# KiCad board longboi.kicad_pcb
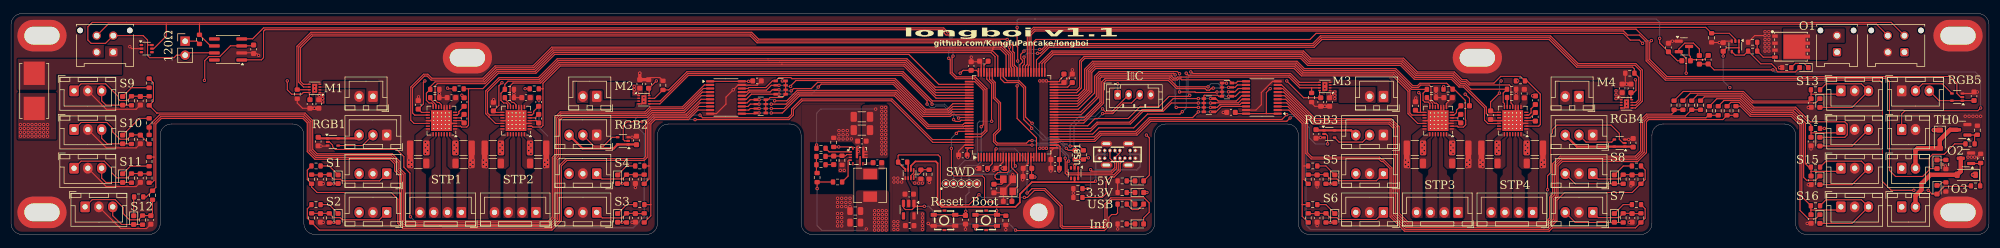
[diagram p0: board, top side]
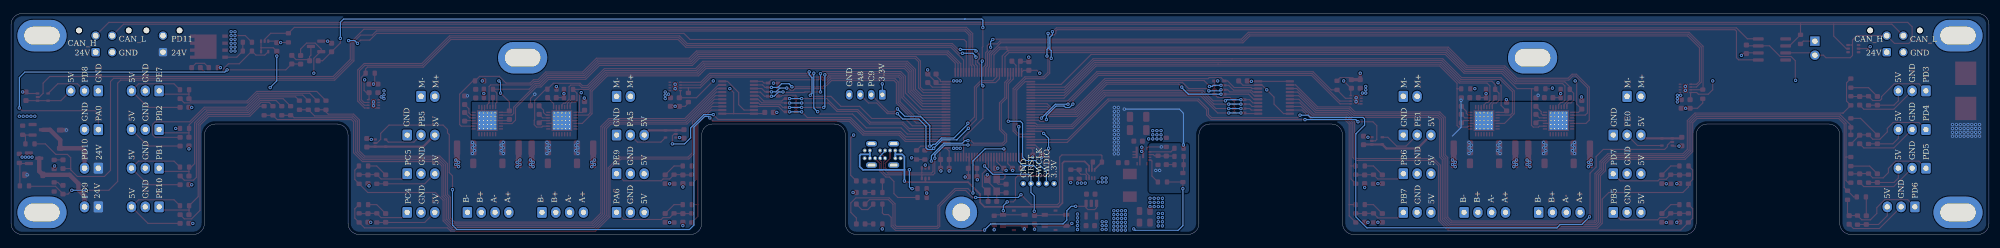
[diagram p1: board, bottom side, seen from below]

Outline 358 x 40 mm; copper layers: Top, Power (plane), GND (plane), Bottom. Coordinates in mm from the lower left corner of the outline.
Outline path: 0,38 0,2 arc(0.59,0.59) 2,0 25,0 arc(26.41,0.59) 27,2 27,18 arc(27.59,19.41) 29,20 51,20 arc(52.41,19.41) 53,18 53,2 arc(53.59,0.59) 55,0 115,0 arc(116.41,0.59) 117,2 117,18 arc(117.59,19.41) 119,20 141,20 arc(142.41,19.41) 143,18 143,2 arc(143.59,0.59) 145,0 205,0 arc(206.41,0.59) 207,2 207,18 arc(207.59,19.41) 209,20 231,20 arc(232.41,19.41) 233,18 233,2 arc(233.59,0.59) 235,0 295,0 arc(296.41,0.59) 297,2 297,18 arc(297.59,19.41) 299,20 321,20 arc(322.41,19.41) 323,18 323,2 arc(323.59,0.59) 325,0 356,0 arc(357.41,0.59) 358,2 358,38 arc(357.41,39.41) 356,40 2,40 arc(0.59,39.41) 0,38
Stack: Top 0.035mm / dielectric 0.1mm FR4 er 4.5 / Power 0.035mm / dielectric 1.24mm FR4 er 4.5 / GND 0.035mm / dielectric 0.1mm FR4 er 4.5 / Bottom 0.035mm

## Placement (name value [footprint] x y rotation side)
C1  10uF  [C_0603_1608Metric]  188.97 11.97 0 top
C2  100nF  [C_0603_1608Metric]  188.97 13.58 0 top
C3  12pF  [C_0603_1608Metric]  177.9 8.32 270 top
C4  10uF  [C_0603_1608Metric]  190.57 28.28 90 top
C5  100nF  [C_0603_1608Metric]  179.07 11.97 0 top
C6  12pF  [C_0603_1608Metric]  180.38 6 180 top
C7  100nF  [C_0603_1608Metric]  173.78 30.5 270 top
C8  2.2uF  [C_0603_1608Metric]  192.07 28.28 270 top
C9  100nF  [C_0603_1608Metric]  183.95 10.47 0 top
C10  2.2uF  [C_0603_1608Metric]  176.07 31.38 0 top
C11  100nF  [C_0603_1608Metric]  172.28 14.38 0 top
C12  100nF  [C_0603_1608Metric]  183.97 11.97 0 top
C13  100nF  [C_0603_1608Metric]  175.97 11.97 0 top
C14  100nF  [C_0603_1608Metric]  220.8 22.1 180 top
C15  100nF  [C_0603_1608Metric]  135.03 27.8 0 top
C16  22nF  [C_0603_1608Metric]  82 20.97 270 top
C17  100nF  [C_0603_1608Metric]  82 23.97 90 top
C18  2.2uF  [C_0603_1608Metric]  79.7 24.77 0 top
C19  1uF  [C_0603_1608Metric]  73.7 23.47 270 top
C20  47uF  [C_1210_3225Metric]  81.9 15.67 180 top
C21  47uF  [C_1210_3225Metric]  73.7 15.67 0 top
C22  22nF  [C_0603_1608Metric]  95.5 20.97 270 top
C23  100nF  [C_0603_1608Metric]  95.5 23.97 90 top
C24  2.2uF  [C_0603_1608Metric]  93.2 24.77 0 top
C25  1uF  [C_0603_1608Metric]  87.3 23.15 270 top
C26  47uF  [C_1210_3225Metric]  87.2 15.67 0 top
C27  47uF  [C_1210_3225Metric]  95.4 15.67 180 top
C28  22nF  [C_0603_1608Metric]  262.4 20.97 270 top
C29  100nF  [C_0603_1608Metric]  263.2 23.3 0 top
C30  2.2uF  [C_0603_1608Metric]  260.1 24.77 0 top
C31  1uF  [C_0603_1608Metric]  254.2 23.27 270 top
C32  47uF  [C_1210_3225Metric]  262.3 15.67 180 top
C33  47uF  [C_1210_3225Metric]  254.1 15.67 0 top
C34  22nF  [C_0603_1608Metric]  275.9 21.3 270 top
C35  100nF  [C_0603_1608Metric]  275.9 24.3 90 top
C36  2.2uF  [C_0603_1608Metric]  273.9 25.5 270 top
C37  1uF  [C_0603_1608Metric]  267.8 21.6 90 top
C38  47uF  [C_1210_3225Metric]  267.6 15.67 0 top
C39  47uF  [C_1210_3225Metric]  275.8 15.67 180 top
C40  1uF  [C_0603_1608Metric]  54.1 23.62 90 top
C41  1uF  [C_0603_1608Metric]  55.7 23.62 90 top
C42  1uF  [C_0603_1608Metric]  115.4 27.25 270 top
C43  1uF  [C_0603_1608Metric]  113.8 27.25 270 top
C44  1uF  [C_0603_1608Metric]  237.05 23.97 90 top
C45  1uF  [C_0603_1608Metric]  238.65 23.97 90 top
C46  1uF  [C_0603_1608Metric]  293.2 26.45 270 top
C47  1uF  [C_0603_1608Metric]  291.6 26.45 270 top
C48  100nF  [C_0603_1608Metric]  55.6 16.83 90 top
C49  100nF  [C_0603_1608Metric]  113.2 17.03 270 top
C50  100nF  [C_0603_1608Metric]  236.2 18.2 90 top
C51  100nF  [C_0603_1608Metric]  293.6 16.6 270 top
C52  100nF  [C_0603_1608Metric]  43.91 33.53 270 top
C53  10uF  [C_1206_3216Metric]  154 21.3 180 top
C54  10uF  [C_1206_3216Metric]  154 18.9 180 top
C55  100nF  [C_0603_1608Metric]  154 16.9 180 top
C56  100nF  [C_0603_1608Metric]  156.8 13 0 top
C57  10uF  [C_0603_1608Metric]  162.57 7.3 180 top
C58  100pF  [C_0603_1608Metric]  148.9 13.42 90 top
C59  10uF  [C_0603_1608Metric]  162.65 1.6 180 top
C60  22uF  [C_0805_2012Metric]  152.8 4.25 180 top
C61  22uF  [C_0805_2012Metric]  152.8 2.15 180 top
C62  100nF  [C_0603_1608Metric]  172.75 2.66 270 top
C63  100nF  [C_0603_1608Metric]  325.8 2.8 270 top
C64  100nF  [C_0603_1608Metric]  293.4 10 270 top
C65  100nF  [C_0603_1608Metric]  325.8 9.8 270 top
C66  100nF  [C_0603_1608Metric]  293.4 3 270 top
C67  100nF  [C_0603_1608Metric]  325.8 16.83 270 top
C68  100nF  [C_0603_1608Metric]  236.4 3 270 top
C69  100nF  [C_0603_1608Metric]  325.8 23.8 270 top
C70  100nF  [C_0603_1608Metric]  236.4 10 270 top
C71  100nF  [C_0603_1608Metric]  25.3 2.62 270 top
C72  100nF  [C_0603_1608Metric]  113 3 270 top
C73  100nF  [C_0603_1608Metric]  23.4 10.2 270 top
C74  100nF  [C_0603_1608Metric]  113 10 270 top
C75  100nF  [C_0603_1608Metric]  23.4 17.2 270 top
C76  100nF  [C_0603_1608Metric]  56 3 270 top
C77  100nF  [C_0603_1608Metric]  23.4 24.2 270 top
C78  100nF  [C_0603_1608Metric]  56 10 270 top
C79  100nF  [C_0603_1608Metric]  309.9 33.95 270 top
C80  100nF  [C_0603_1608Metric]  355.3 25.03 270 top
C82  100nF  [C_0603_1608Metric]  299.99 33.85 270 top
D1  Blue  [LED_0603_1608Metric]  204.21 1.9 0 top
D2  Green  [LED_0603_1608Metric]  204.21 5.5 0 top
D3  Green  [LED_0603_1608Metric]  204.21 7.6 0 top
D4  Green  [LED_0603_1608Metric]  204.21 9.7 0 top
D5  Red  [LED_0603_1608Metric]  324.52 30.21 180 top
D6  Red  [LED_0603_1608Metric]  348.6 12.71 270 top
D7  1N4007  [D_SOD-123]  349.1 17.25 270 top
D9  Red  [LED_0603_1608Metric]  348.6 8.1 270 top
D10  1N4007  [D_SOD-123]  353.9 10.8 180 top
D15  Yellow  [LED_0603_1608Metric]  327.4 2.8 270 top
D16  Yellow  [LED_0603_1608Metric]  290.2 10 270 top
D17  Yellow  [LED_0603_1608Metric]  327.4 9.8 270 top
D18  Yellow  [LED_0603_1608Metric]  290.2 3 270 top
D19  Yellow  [LED_0603_1608Metric]  327.4 16.8 270 top
D20  Yellow  [LED_0603_1608Metric]  239.6 3 270 top
D21  Yellow  [LED_0603_1608Metric]  327.4 23.8 270 top
D22  Yellow  [LED_0603_1608Metric]  239.6 10 270 top
D23  Yellow  [LED_0603_1608Metric]  22.2 2.6 270 top
D24  Yellow  [LED_0603_1608Metric]  109.8 3 270 top
D25  Yellow  [LED_0603_1608Metric]  20.2 10.2 270 top
D26  Yellow  [LED_0603_1608Metric]  109.8 10 270 top
D27  Yellow  [LED_0603_1608Metric]  20.2 17.2 270 top
D28  Yellow  [LED_0603_1608Metric]  59.2 3 270 top
D29  Yellow  [LED_0603_1608Metric]  20.2 24.2 270 top
D30  Yellow  [LED_0603_1608Metric]  59.2 10 270 top
D32  BAV99  [SOT-23]  302.79 34.05 0 top
F1  4A  [Fuseholder_Littelfuse_Nano2_154x]  4.2 26 270 top
H1  Center  [MountingHole_3.2mm_M3_ISO7380_Pad]  186 4 0 top
H2  Slot  [MountingSlot3.2mm]  5.6 36 0 top
H3  Slot  [MountingSlot3.2mm]  82.6 32 0 top
H4  Slot  [MountingSlot3.2mm]  265.4 32 0 top
H5  Slot  [MountingSlot3.2mm]  352.4 36 0 top
H6  Slot  [MountingSlot3.2mm]  352.4 4 0 top
H7  Slot  [MountingSlot3.2mm]  5.6 4 0 top
J1  Testpad  [TestPoint_THTPad_D1.0mm_Drill0.5mm]  169.21 9.2 90 top
J2  Testpad  [TestPoint_THTPad_D1.0mm_Drill0.5mm]  170.6 9.2 90 top
J3  Testpad  [TestPoint_THTPad_D1.0mm_Drill0.5mm]  172 9.2 90 top
J4  Testpad  [TestPoint_THTPad_D1.0mm_Drill0.5mm]  173.4 9.2 90 top
J5  Testpad  [TestPoint_THTPad_D1.0mm_Drill0.5mm]  174.8 9.2 90 top
J6  JST-PH  [JST_PH_B4B-PH-K_1x04_P2.00mm_Vertical]  200.3 25.3 0 top
J7  Conn_01x04_Pin  [JST_XH_B4B-XH-A_1x04_P2.50mm_Vertical]  81.5 4 180 top
J8  Conn_01x04_Pin  [JST_XH_B4B-XH-A_1x04_P2.50mm_Vertical]  95 4 180 top
J9  Conn_01x04_Pin  [JST_XH_B4B-XH-A_1x04_P2.50mm_Vertical]  261.9 4 180 top
J10  Conn_01x04_Pin  [JST_XH_B4B-XH-A_1x04_P2.50mm_Vertical]  275.4 4 180 top
J11  Conn_01x02_Pin  [JST_XH_B2B-XH-A_1x02_P2.50mm_Vertical]  65.5 25 180 top
J12  Conn_01x02_Pin  [JST_XH_B2B-XH-A_1x02_P2.50mm_Vertical]  106 25 180 top
J13  Conn_01x02_Pin  [JST_XH_B2B-XH-A_1x02_P2.50mm_Vertical]  248.4 25 180 top
J14  Conn_01x02_Pin  [JST_XH_B2B-XH-A_1x02_P2.50mm_Vertical]  283.8 25 180 top
J15  Conn_01x03_Pin  [JST_XH_B3B-XH-A_1x03_P2.50mm_Vertical]  68 18 180 top
J16  Conn_01x03_Pin  [JST_XH_B3B-XH-A_1x03_P2.50mm_Vertical]  106 18 180 top
J17  Conn_01x03_Pin  [JST_XH_B3B-XH-A_1x03_P2.50mm_Vertical]  248.4 18 180 top
J18  Conn_01x03_Pin  [JST_XH_B3B-XH-A_1x03_P2.50mm_Vertical]  286.3 18 180 top
J19  Conn_01x02_Pin  [PinHeader_1x02_P2.54mm_Vertical]  31.5 35 0 top
J20  MX3.0  [Molex_Micro-Fit_3.0_43045-0412_2x02_P3.00mm_Vertical]  342.7 33 180 top
J21  MX3.0  [Molex_Micro-Fit_3.0_43045-0412_2x02_P3.00mm_Vertical]  18.5 33 180 top
J23  Conn_01x03_Pin  [JST_XH_B3B-XH-A_1x03_P2.50mm_Vertical]  331.2 5 0 top
J24  Conn_01x03_Pin  [JST_XH_B3B-XH-A_1x03_P2.50mm_Vertical]  286.3 11 180 top
J25  Conn_01x03_Pin  [JST_XH_B3B-XH-A_1x03_P2.50mm_Vertical]  331.2 12 0 top
J26  Conn_01x03_Pin  [JST_XH_B3B-XH-A_1x03_P2.50mm_Vertical]  286.3 4 180 top
J27  Conn_01x03_Pin  [JST_XH_B3B-XH-A_1x03_P2.50mm_Vertical]  331.2 19 0 top
J28  Conn_01x03_Pin  [JST_XH_B3B-XH-A_1x03_P2.50mm_Vertical]  248.4 4 180 top
J29  Conn_01x03_Pin  [JST_XH_B3B-XH-A_1x03_P2.50mm_Vertical]  331.2 26 0 top
J30  Conn_01x03_Pin  [JST_XH_B3B-XH-A_1x03_P2.50mm_Vertical]  248.4 11 180 top
J31  Conn_01x03_Pin  [JST_XH_B3B-XH-A_1x03_P2.50mm_Vertical]  13.4 5 0 top
J32  Conn_01x03_Pin  [JST_XH_B3B-XH-A_1x03_P2.50mm_Vertical]  106 4 180 top
J33  Conn_01x03_Pin  [JST_XH_B3B-XH-A_1x03_P2.50mm_Vertical]  11.4 12 0 top
J34  Conn_01x03_Pin  [JST_XH_B3B-XH-A_1x03_P2.50mm_Vertical]  106 11 180 top
J35  Conn_01x03_Pin  [JST_XH_B3B-XH-A_1x03_P2.50mm_Vertical]  11.4 19 0 top
J36  Conn_01x03_Pin  [JST_XH_B3B-XH-A_1x03_P2.50mm_Vertical]  68 4 180 top
J37  Conn_01x03_Pin  [JST_XH_B3B-XH-A_1x03_P2.50mm_Vertical]  11.4 26 0 top
J38  Conn_01x03_Pin  [JST_XH_B3B-XH-A_1x03_P2.50mm_Vertical]  68 11 180 top
J39  Conn_01x02_Pin  [Molex_Micro-Fit_3.0_43045-0212_2x01_P3.00mm_Vertical]  330.5 33 180 top
J40  Conn_01x03_Pin  [JST_XH_B3B-XH-A_1x03_P2.50mm_Vertical]  342.2 26 0 top
J41  Conn_01x02_Pin  [JST_XH_B2B-XH-A_1x02_P2.50mm_Vertical]  342.2 12 0 top
J44  Conn_01x02_Pin  [JST_XH_B2B-XH-A_1x02_P2.50mm_Vertical]  342.2 5 0 top
J50  Conn_01x02_Pin  [JST_XH_B2B-XH-A_1x02_P2.50mm_Vertical]  342.2 19 0 top
L1  L_Ferrite  [L_Chilisin_BMRA00050530]  155.5 8.9 270 top
Q1  HY1904C2  [DFN-8_L5.9-W5.2-P1.27-LS6.2-BL]  322.19 34 270 top
Q2  IRLML0030  [SOT-23]  353.16 18.95 180 top
Q4  IRLML0030  [SOT-23]  353.84 13.8 180 top
R1  2.7k  [R_0603_1608Metric]  201.11 1.9 0 top
R2  15k  [R_0603_1608Metric]  194.1 14.4 270 top
R3  15k  [R_0603_1608Metric]  192.6 14.4 270 top
R4  110m  [R_1206_3216Metric]  73.7 12.87 180 top
R5  110m  [R_1206_3216Metric]  81.9 12.87 0 top
R6  110m  [R_1206_3216Metric]  87.2 12.87 180 top
R7  110m  [R_1206_3216Metric]  95.4 12.87 0 top
R8  110m  [R_1206_3216Metric]  254.1 12.87 180 top
R9  110m  [R_1206_3216Metric]  262.3 12.87 0 top
R10  110m  [R_1206_3216Metric]  267.6 12.88 180 top
R11  110m  [R_1206_3216Metric]  275.8 12.88 0 top
R12  120  [R_0603_1608Metric]  34.11 35.33 270 top
R13  100k  [R_0603_1608Metric]  164.68 10.9 90 top
R14  56k  [R_0603_1608Metric]  166.18 10.9 270 top
R15  0  [R_0603_1608Metric]  148.9 16.67 90 top
R16  100k  [R_0603_1608Metric]  146.6 15.6 0 top
R17  100k  [R_0603_1608Metric]  161.38 13.1 180 top
R18  3.3k  [R_0603_1608Metric]  201.11 5.5 180 top
R19  20k  [R_0603_1608Metric]  146.6 12.62 0 top
R20  10k  [R_0603_1608Metric]  307.8 35.6 270 top
R21  49.9  [R_0603_1608Metric]  145.9 10.3 90 top
R22  73.2k  [R_0603_1608Metric]  146.6 14.12 0 top
R23  10k  [R_0603_1608Metric]  150.4 13.42 270 top
R24  2.7k  [R_0603_1608Metric]  201.11 7.6 0 top
R25  3.3k  [R_0603_1608Metric]  201.11 9.7 0 top
R26  10k  [R_0603_1608Metric]  51.8 25.4 90 top
R27  10k  [R_0603_1608Metric]  118 27 270 top
R28  100k  [R_0603_1608Metric]  180.05 2.56 270 top
R29  100k  [R_0603_1608Metric]  326.6 5.2 180 top
R30  100  [R_0603_1608Metric]  310.6 22.4 270 top
R31  100k  [R_0603_1608Metric]  291.8 10 90 top
R32  100  [R_0603_1608Metric]  295 10 270 top
R33  100k  [R_0603_1608Metric]  326.6 12.2 180 top
R34  100  [R_0603_1608Metric]  307.4 22.4 270 top
R35  100k  [R_0603_1608Metric]  291.8 3 90 top
R36  100  [R_0603_1608Metric]  295 3 270 top
R37  100k  [R_0603_1608Metric]  326.6 19.2 180 top
R38  100  [R_0603_1608Metric]  305.8 23.4 270 top
R39  100k  [R_0603_1608Metric]  238 3 90 top
R40  100  [R_0603_1608Metric]  234.8 3 270 top
R41  100k  [R_0603_1608Metric]  326.6 26.2 180 top
R42  100  [R_0603_1608Metric]  301 23.4 270 top
R43  100k  [R_0603_1608Metric]  238 10 90 top
R44  100  [R_0603_1608Metric]  234.8 10 270 top
R45  100k  [R_0603_1608Metric]  23.8 2.6 90 top
R46  100  [R_0603_1608Metric]  25.6 7.1 90 top
R47  100k  [R_0603_1608Metric]  111.4 3 90 top
R48  100  [R_0603_1608Metric]  114.6 3 270 top
R49  100k  [R_0603_1608Metric]  21.8 10.2 90 top
R50  100  [R_0603_1608Metric]  25 10.2 270 top
R51  100k  [R_0603_1608Metric]  111.4 10 90 top
R52  100  [R_0603_1608Metric]  114.6 10 270 top
R53  100k  [R_0603_1608Metric]  21.8 17.2 90 top
R54  100  [R_0603_1608Metric]  25 17.2 90 top
R55  100k  [R_0603_1608Metric]  57.6 3 90 top
R56  100  [R_0603_1608Metric]  54.4 3 270 top
R57  100k  [R_0603_1608Metric]  21.8 24.2 90 top
R58  100  [R_0603_1608Metric]  25 24.2 270 top
R59  100k  [R_0603_1608Metric]  57.6 10 90 top
R60  100  [R_0603_1608Metric]  54.4 10 270 top
R61  3.3k  [R_0603_1608Metric]  321.39 30.21 0 top
R62  100  [R_0603_1608Metric]  315.23 33.2 0 top
R63  10k  [R_0603_1608Metric]  315.23 34.8 180 top
R64  2.7k  [R_0603_1608Metric]  350.2 12.67 90 top
R65  100  [R_0603_1608Metric]  354.57 16.4 0 top
R66  10k  [R_0603_1608Metric]  355.9 18.88 90 top
R67  10k  [R_0603_1608Metric]  235.4 24.8 90 top
R68  10k  [R_0603_1608Metric]  293 29.2 0 top
R69  5.1k  [R_0603_1608Metric]  193.1 8.3 0 top
R70  2.7k  [R_0603_1608Metric]  350.2 8.6 90 top
R71  100  [R_0603_1608Metric]  355.57 8.8 0 top
R72  10k  [R_0603_1608Metric]  356.5 13.78 90 top
R73  5.1k  [R_0603_1608Metric]  193.1 6.7 180 top
R79  3.3k  [R_0603_1608Metric]  312.2 22.4 90 top
R80  3.3k  [R_0603_1608Metric]  294.2 12.4 180 top
R81  3.3k  [R_0603_1608Metric]  309 22.4 90 top
R82  3.3k  [R_0603_1608Metric]  294.2 5.4 180 top
R83  3.3k  [R_0603_1608Metric]  304.2 23.4 90 top
R84  3.3k  [R_0603_1608Metric]  235.6 5.4 0 top
R85  3.3k  [R_0603_1608Metric]  302.6 23.4 90 top
R86  3.3k  [R_0603_1608Metric]  235.6 12.4 0 top
R87  3.3k  [R_0603_1608Metric]  23.1 6.8 180 top
R88  3.3k  [R_0603_1608Metric]  113.8 5.4 180 top
R89  3.3k  [R_0603_1608Metric]  25 13.2 270 top
R90  3.3k  [R_0603_1608Metric]  113.8 12.4 180 top
R91  3.3k  [R_0603_1608Metric]  25 20.2 90 top
R92  3.3k  [R_0603_1608Metric]  55.2 5.4 0 top
R93  3.3k  [R_0603_1608Metric]  25 27.4 270 top
R94  3.3k  [R_0603_1608Metric]  55.2 12.4 0 top
R95  100k  [R_0603_1608Metric]  76.7 26.27 180 top
R96  100k  [R_0603_1608Metric]  90.2 26.27 180 top
R97  100k  [R_0603_1608Metric]  257.1 26.27 180 top
R98  100k  [R_0603_1608Metric]  271.6 26.3 180 top
R99  100k  [R_0603_1608Metric]  76.7 24.77 0 top
R100  100k  [R_0603_1608Metric]  90.2 24.77 0 top
R101  100k  [R_0603_1608Metric]  257.1 24.77 0 top
R102  100k  [R_0603_1608Metric]  271.6 24.8 0 top
R103  100k  [R_0603_1608Metric]  81.1 26.37 0 top
R104  100k  [R_0603_1608Metric]  94.7 26.37 0 top
R105  100k  [R_0603_1608Metric]  260.1 26.3 0 top
R106  100k  [R_0603_1608Metric]  273.2 27.8 0 top
R107  100k  [R_0603_1608Metric]  149.6 9.5 0 top
R108  2.37k  [C_0603_1608Metric]  307.19 31.65 270 top
R109  2.37k  [C_0603_1608Metric]  303.19 31.45 0 top
R110  4.7k  [C_0603_1608Metric]  305.59 31.62 90 top
RN1  10k  [R_Array_Convex_4x0603]  216.8 23.4 180 top
RN2  10k  [R_Array_Convex_4x0603]  220.07 26.22 180 top
RN3  10k  [R_Array_Convex_4x0603]  139.3 26.6 0 top
RN4  10k  [R_Array_Convex_4x0603]  135.7 23.2 0 top
SW1  SW_SPST  [SW-SMD_4P-L3.4-W3.4-P2.00-LS4.0_TS3315A160GF]  168.95 2.56 180 top
SW2  SW_SPST  [SW-SMD_4P-L3.4-W3.4-P2.00-LS4.0_TS3315A160GF]  176.5 2.56 180 top
U1  STM32H723VGTx  [LQFP-100_14x14mm_P0.5mm]  181.1 21.67 90 top
U2  SN74LVC245APW  [TSSOP-20_4.4x6.5mm_P0.65mm]  226.4 24.8 180 top
U3  SN74LVC245APW  [TSSOP-20_4.4x6.5mm_P0.65mm]  129.4 24.8 0 top
U4  TMC2209-LA  [QFN-28-1EP_5x5mm_P0.5mm_EP3.75x3.75mm_ThermalVias]  77.9 20.61 180 top
U5  TMC2209-LA  [QFN-28-1EP_5x5mm_P0.5mm_EP3.75x3.75mm_ThermalVias]  91.4 20.61 180 top
U6  TMC2209-LA  [QFN-28-1EP_5x5mm_P0.5mm_EP3.75x3.75mm_ThermalVias]  258.3 20.61 180 top
U7  TMC2209-LA  [QFN-28-1EP_5x5mm_P0.5mm_EP3.75x3.75mm_ThermalVias]  271.8 20.61 180 top
U8  DRV8837  [WSON-8-1EP_2x2mm_P0.5mm_EP0.9x1.6mm]  54.95 26.45 180 top
U9  DRV8837  [WSON-8-1EP_2x2mm_P0.5mm_EP0.9x1.6mm]  114.55 24.4 0 top
U10  DRV8837  [WSON-8-1EP_2x2mm_P0.5mm_EP0.9x1.6mm]  237.8 26.8 180 top
U11  DRV8837  [WSON-8-1EP_2x2mm_P0.5mm_EP0.9x1.6mm]  292.4 23.65 0 top
U12  74LVC1G126  [SOT-353_SC-70-5]  58.25 16.75 0 top
U13  74LVC1G126  [SOT-353_SC-70-5]  110.75 16.95 180 top
U14  74LVC1G126  [SOT-353_SC-70-5]  238.6 18.2 0 top
U15  74LVC1G126  [SOT-353_SC-70-5]  291.15 16.55 180 top
U17  TPS2116DRL  [SOT-583-8]  162.62 10.94 90 top
U18  TPS56637RPAR  [VQFN-HR-10_L3.0-W3.0_RPA]  153.27 14.21 0 top
U19  ME6211C33M5  [SOT-23-5]  162.47 4.5 270 top
U20  SMF05CT1G-ES  [SOT-363_SC-70-6]  192.5 11.1 270 top
U21  74LVC1G126  [SOT-353_SC-70-5]  312.1 34.05 270 top
U22  74LVC1G126  [SOT-353_SC-70-5]  352.25 24.88 180 top
U23  SMF05CT1G-ES  [SOT-363_SC-70-6]  24.55 33.65 0 top
U24  TCAN332G  [SOIC-8_3.9x4.9mm_P1.27mm]  39.28 33.5 180 top
USB1  TYPE-C-31-M-15  [USBC-TH_TYPE-C-31-M-15]  200.25 14.5 90 top
Y1  25MHz  [Crystal_SMD_3225-4Pin_3.2x2.5mm]  180.45 8.9 90 top

## Library data of the parts
C1 C4 C57 C59 = -: Description: Unpolarized capacitor, small symbol; LCSC: C19702; ki_fp_filters: C_*
C2 C5 C7 C9 C11-C15 C17 C23 C29 C35 C48-C52 C55 C56 C62-C80 C82 = -: Description: Unpolarized capacitor, small symbol; LCSC: C14663; ki_fp_filters: C_*
C3 C6 = -: Description: Unpolarized capacitor, small symbol; LCSC: C1644; ki_fp_filters: C_*
C8 C10 C18 C24 C30 C36 = -: Description: Unpolarized capacitor, small symbol; LCSC: C23630; ki_fp_filters: C_*
C16 C22 C28 C34 = -: Description: Unpolarized capacitor, small symbol; LCSC: C21122; ki_fp_filters: C_*
C19 C25 C31 C37 C40-C47 = -: Description: Unpolarized capacitor, small symbol; LCSC: C15849; ki_fp_filters: C_*
C20 C21 C26 C27 C32 C33 C38 C39 = -: Description: Unpolarized capacitor, small symbol; LCSC: C6120020; ki_fp_filters: C_*
C53 C54 = -: Description: Unpolarized capacitor, small symbol; LCSC: C13585; ki_fp_filters: C_*
C58 = -: Description: Unpolarized capacitor, small symbol; LCSC: C14665; ki_fp_filters: C_*
C60 C61 = -: Description: Unpolarized capacitor, small symbol; LCSC: C602037; ki_fp_filters: C_*
D1 = -: Description: Light emitting diode; LCSC: C965807; ki_fp_filters: LED* LED_SMD:* LED_THT:*
D2-D4 = -: Description: Light emitting diode; LCSC: C2994781; ki_fp_filters: LED* LED_SMD:* LED_THT:*
D5 D6 D9 = -: Description: Light emitting diode; LCSC: C965799; ki_fp_filters: LED* LED_SMD:* LED_THT:*
D7 D10 = -: Datasheet: http://www.vishay.com/docs/88503/1n4001.pdf; Description: 1000V 1A General Purpose Rectifier Diode, DO-41; Sim.Device: D; Sim.Pins: 1=K 2=A; LCSC: C2902912; ki_fp_filters: D*DO?41*
D15-D30 = -: Description: Light emitting diode; LCSC: C72038; ki_fp_filters: LED* LED_SMD:* LED_THT:*
D32 = -: Datasheet: https://assets.nexperia.com/documents/data-sheet/BAV99_SER.pdf; Description: BAV99 High-speed switching diodes, SOT-23; LCSC: C2500; ki_fp_filters: SOT?23*
F1 = -: Description: Fuse, small symbol; LCSC: C108518; ki_fp_filters: *Fuse*
H1-H7 = -: Description: Mounting Hole with connection; ki_fp_filters: MountingHole*Pad*
J1-J5 = -: Description: Generic connector, single row, 01x01, script generated; ki_fp_filters: Connector*:*_1x??_*
J6 = -: Description: Generic connector, single row, 01x04, script generated; LCSC: C5305780; ki_fp_filters: Connector*:*_1x??_*
J7-J10 = -: Description: Generic connector, single row, 01x04, script generated; LCSC: C566013; ki_fp_filters: Connector*:*_1x??_*
J11-J14 J41 J44 J50 = -: Description: Generic connector, single row, 01x02, script generated; LCSC: C378939; ki_fp_filters: Connector*:*_1x??_*
J15-J18 J23-J38 J40 = -: Description: Generic connector, single row, 01x03, script generated; LCSC: C565985; ki_fp_filters: Connector*:*_1x??_*
J19 = -: Description: Generic connector, single row, 01x02, script generated; LCSC: C492401; ki_fp_filters: Connector*:*_1x??_*
J20 J21 = -: Description: Generic connector, double row, 02x02, top/bottom pin numbering scheme (row 1: 1...pins_per_row, row2: pins_per_row+1 ... num_pins), script generated (kicad-library-utils/schlib/autogen/connector/); LCSC: C277721; ki_fp_filters: Connector*:*_2x??_*
J39 = -: Description: Generic connector, single row, 01x02, script generated; LCSC: C293362; ki_fp_filters: Connector*:*_1x??_*
L1 = -: Description: Inductor with ferrite core; LCSC: C7187309; ki_fp_filters: Choke_* *Coil* Inductor_* L_*
Q1 = -: Datasheet: https://lcsc.com/product-detail/Others_HuaYi-Microelectronics-HY1904C2_C358116.html; LCSC Part: C358116; LCSC: C358116
Q2 Q4 = -: Datasheet: https://www.infineon.com/dgdl/irlml0030pbf.pdf?fileId=5546d462533600a401535664773825df; Description: 5.3A Id, 30V Vds, 27mOhm Rds, N-Channel HEXFET Power MOSFET, SOT-23; LCSC: C67272; ki_fp_filters: SOT?23*
R1 R24 R64 R70 = -: Description: Resistor, small symbol; LCSC: C13167; ki_fp_filters: R_*
R2 R3 = -: Description: Resistor, small symbol; LCSC: C22809; ki_fp_filters: R_*
R4-R11 = -: Description: Resistor, small symbol; LCSC: C2934288; ki_fp_filters: R_*
R12 = -: Description: Resistor, small symbol; LCSC: C22787; ki_fp_filters: R_*
R13 R16 R17 R28 R29 R31 R33 R35 R37 R39 R41 R43 R45 R47 R49 R51 R53 R55 R57 R59 R95-R107 = -: Description: Resistor, small symbol; LCSC: C14675; ki_fp_filters: R_*
R14 = -: Description: Resistor, small symbol; LCSC: C23206; ki_fp_filters: R_*
R15 = -: Description: Resistor, small symbol; LCSC: C95177; ki_fp_filters: R_*
R18 R25 R61 R79-R94 = -: Description: Resistor, small symbol; LCSC: C22978; ki_fp_filters: R_*
R19 = -: Description: Resistor, small symbol; LCSC: C2907011; ki_fp_filters: R_*
R20 R23 R26 R27 R63 R66-R68 R72 = -: Description: Resistor, small symbol; LCSC: C98220; ki_fp_filters: R_*
R21 = -: Description: Resistor, small symbol; LCSC: C114625; ki_fp_filters: R_*
R22 = -: Description: Resistor, small symbol; LCSC: C14890; ki_fp_filters: R_*
R30 R32 R34 R36 R38 R40 R42 R44 R46 R48 R50 R52 R54 R56 R58 R60 R62 R65 R71 = -: Description: Resistor, small symbol; LCSC: C105588; ki_fp_filters: R_*
R69 R73 = -: Description: Resistor, small symbol; LCSC: C23186; ki_fp_filters: R_*
R108 R109 = -: Description: Resistor, small symbol; LCSC: C705759; ki_fp_filters: R_*
R110 = -: Description: Resistor, small symbol; LCSC: C99782; ki_fp_filters: R_*
RN1-RN4 = -: Description: 4 resistor network, parallel topology; LCSC: C29718; ki_fp_filters: DIP* SOIC* R*Array*Concave* R*Array*Convex* MSOP*
SW1 SW2 = -: Datasheet: http://www.apem.com/int/index.php?controller=attachment&id_attachment=1371; Description: MEC 5E single pole normally-open tactile switch; LCSC: C557593; ki_fp_filters: SW*MEC*5G*
U1 = -: Datasheet: https://www.st.com/resource/en/datasheet/stm32h723vg.pdf; Description: STMicroelectronics Arm Cortex-M7 MCU, 1024KB flash, 564KB RAM, 550 MHz, 1.71-3.6V, 82 GPIO, LQFP100; LCSC: C730142; ki_fp_filters: LQFP*14x14mm*P0.5mm*
U2 U3 = -: Datasheet: https://www.ti.com/lit/ds/scas218x/scas218x.pdf; Description: 8-Bit Single-Supply Bus Transceiver With 5V tolerant input voltage and 3-State Outputs 24mA, TSSOP-20; LCSC: C7848; ki_fp_filters: TSSOP*4.4x6.5mm*P0.65mm*
U4-U7 = -: Datasheet: https://www.analog.com/media/en/technical-documentation/data-sheets/TMC2202_TMC2208_TMC2224_datasheet_rev1.13.pdf; Description: Standalone driver for two-phase bipolar stepper motor, 2A, 4.75… 36V, UART, internal FETs, QFN28; LCSC: C2150710
U8-U11 = -: Datasheet: http://www.ti.com/lit/ds/symlink/drv8837.pdf; Description: H-Bridge driver, 1.8A, Low Voltage, PWM input, WSON-8; LCSC: C39159; ki_fp_filters: WSON*1EP*2x2mm*P0.5mm*
U12-U15 U21 U22 = -: Datasheet: http://www.ti.com/lit/sg/scyt129e/scyt129e.pdf; Description: Single Buffer Gate Tri-State, Low-Voltage CMOS; LCSC: C7394032; ki_fp_filters: SOT* SG-*
U17 = -: Datasheet: https://www.ti.com/lit/ds/symlink/tps2116.pdf; Description: 2 Channnels Power Mux with Manual and Priority Switchover, 1.6-5.5V Input Voltage, 2.5A Output Current, Ron 40 mOhm, SOT-583-8; LCSC: C3235557; ki_fp_filters: SOT?5?3*
U18 = -: LCSC Part: C841386; LCSC: C841386
U19 = -: Datasheet: https://www.lcsc.com/datasheet/lcsc_datasheet_2304140030_MICRONE-Nanjing-Micro-One-Elec-ME6211C33R5G_C235316.pdf; Description: 500mA low dropout linear regulator, shutdown pin, 6.5V max input voltage, 3.3V fixed positive output, SOT-23-5; LCSC: C82942; ki_fp_filters: SOT?23?5*
U20 U23 = -: LCSC Part: C5180312; LCSC: C5180312
U24 = -: Datasheet: http://www.ti.com/lit/ds/symlink/tcan337.pdf; Description: High-Speed CAN Transceiver with CAN FD, 5Mbps, 3.3V supply, SOT-23-8/SOIC-8; LCSC: C191010; ki_fp_filters: *TSOT?23* *SOIC*3.9x4.9mm*P1.27mm*